# Altium PCB RockerBox_Rev04.PcbDoc (part 8 of 9)
Units mil, origin at the board's own origin, x right, y up, seen from the top; angles counter-clockwise.
Board outline 5354.33 x 8818.9 mil, 4 copper layers (L1, L2, L3, L4), stack 62.087 mil thick; 582 components, 159 nets, 3630 pads, 4701 vias.
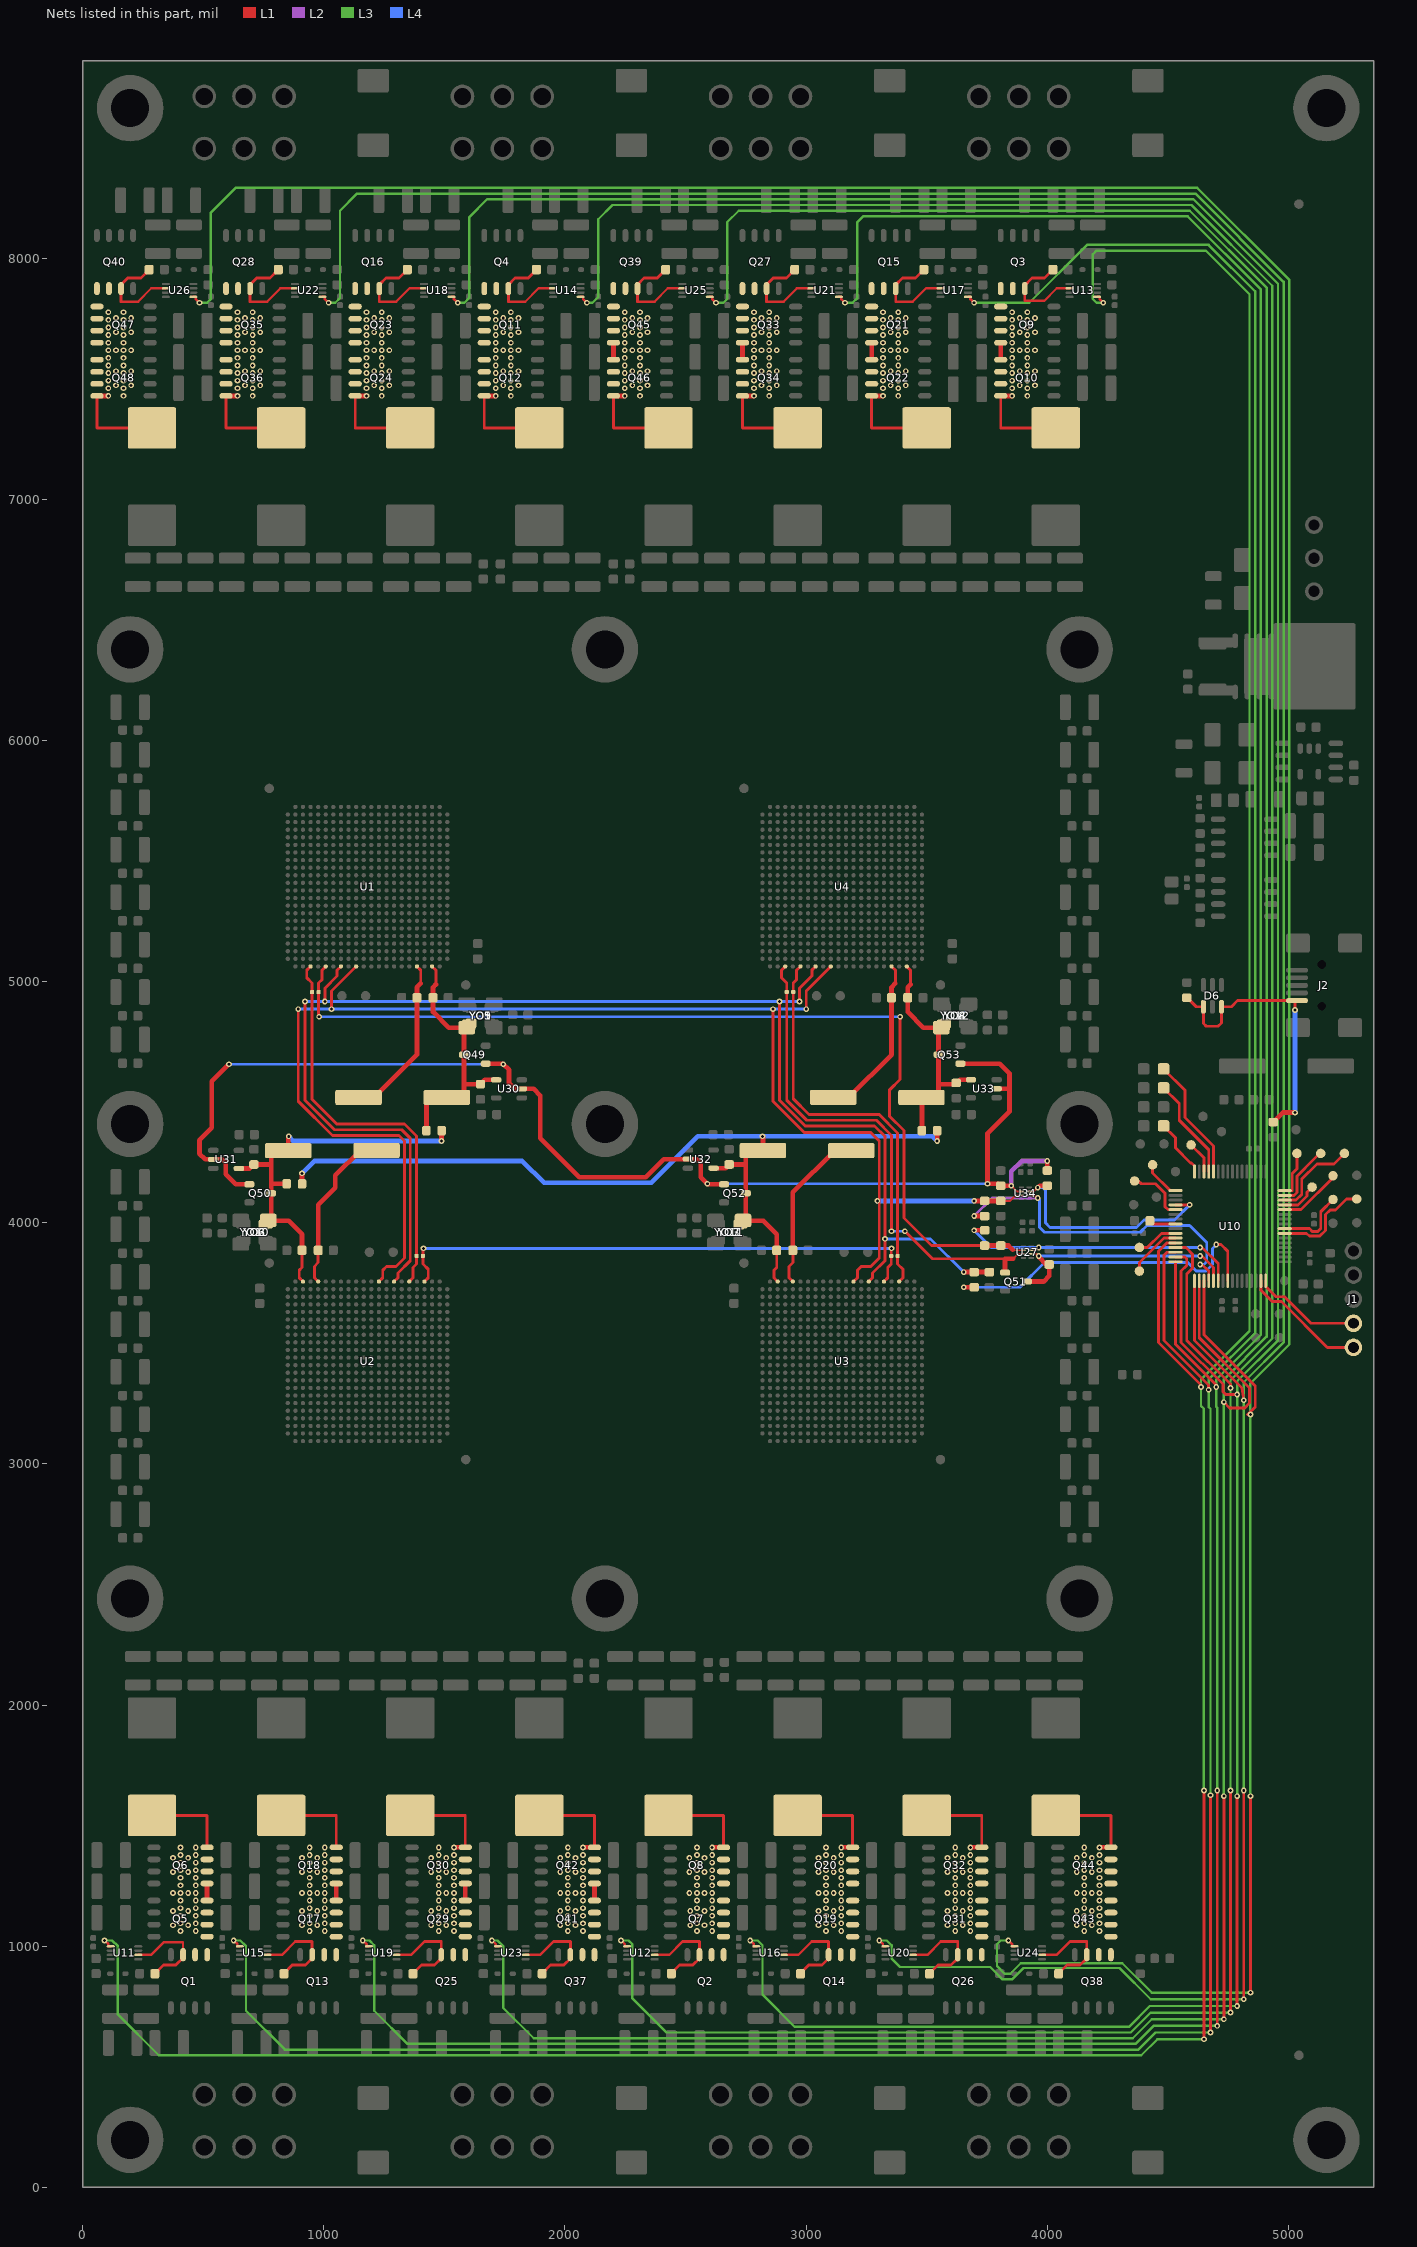
[diagram p10: the nets of this part, all layers, seen from the top]

## Via types
v1: diameter 23.62/23.62/23.62/23.62 (per signal layer), hole 11.81, L1 to L4, 2848 vias
v2: diameter 17.72/17.72/17.72/17.72 (per signal layer), hole 7.87, L1 to L4, 1853 vias

## Nets (pads, with @x,y where several pads share a name; then routed paths per layer and width w, separated by ;. In a path a pad name is that pad's centre, name@x,y a point inside that pad or via, vN(x,y) a via of type N, cw(c..) or ccw(c..) an arc to the next point about the centre after c; other vN are vias at no path point) (continued)
NetTP23_1: TP23.1 U10.49 | length 159.1
  L1 w11.81: TP23.1@4437.01,4240.16 4437.01,4206.03 4509.84,4133.19 U10.49@4531.79,4133.19
NetTP24_1: TP24.1 U10.46 | length 133
  L1 w11.81: TP24.1@4596.46,4322.83 4649.9,4269.39 U10.46@4649.9,4211.93
NetTP25_1: TP25.1 U10.53 | length 251.5
  L1 w11.81: TP25.1@4362.2,4173.23 4377.95,4173.23 4389.76,4161.42 4448.82,4161.42 4488.19,4122.05 4488.19,4066.26 4500,4054.45 U10.53@4531.79,4054.45
NetTP123_1: TP123.1 U10.28 | length 266.6
  L1 w11.81: U10.28@4984.55,4054.45 5052.56,4054.45 5189.02,4190.9 TP123.1@5185.04,4194.88
NetTP124_1: TP124.1 U10.29 | length 153.3
  L1 w11.81: U10.29@4984.55,4074.14 5040.23,4074.14 5077.53,4111.44 5077.53,4126.75 TP124.1@5098.43,4147.64
NetTP125_1: TP125.1 U10.30 | length 365.5
  L1 w11.81: U10.30@4984.55,4093.82 5032.07,4093.82 5055.12,4116.87 5055.12,4181.1 5118.11,4244.09 5188.98,4244.09 TP125.1@5232.28,4287.4
NetTP126_1: TP126.1 U10.31 | length 262.7
  L1 w11.81: U10.31@4984.55,4113.51 5023.9,4113.51 5035.43,4125.04 5035.43,4192.91 5106.3,4263.78 5131.89,4289.37 TP126.1@5133.86,4287.4
NetTP127_1: TP127.1 U10.32 | length 193.6
  L1 w11.81: U10.32@4984.55,4133.19 5015.75,4133.19 5015.75,4204.43 5035.43,4224.11 TP127.1@5035.43,4287.4
NetTP128_1: TP128.1 U10.59 | length 227.5
  L1 w11.81: TP128.1@4381.89,3799.21 4381.89,3834.65 4483.58,3936.34 U10.59@4531.79,3936.34
NetTP129_1: TP129.1 U10.58 | length 174.1
  L1 w11.81: TP129.1@4381.89,3897.64 4414.95,3897.64 4473.34,3956.03 U10.58@4531.79,3956.03
NetTP131_1: TP131.1 U10.23 | length 405.8
  L1 w11.81: U10.23@4984.55,3956.03 5075.47,3956.03 5087.01,3944.49 5130.06,3944.49 5153.54,3967.97 5153.54,4033.46 5173.23,4053.15 5195.62,4053.15 5240.89,4098.43 TP131.1@5283.46,4098.43
NetTP132_1: TP132.1 U10.24 | length 300.6
  L1 w11.81: U10.24@4984.55,3975.71 5087.28,3975.71 5098.82,3964.17 5121.91,3964.17 5133.86,3976.13 5133.86,4045.28 TP132.1@5185.04,4096.46
ORANGE: D4.2 U10.45 | length 424.7
  L1 w11.81: D4.2@4482.28,4559.06 4547.24,4494.09 4547.24,4425.2 4669.59,4302.85 U10.45@4669.59,4211.93
PGC: J1.5 U10.15 | length 521
  L1 w11.81: U10.15@4886.12,3759.18 4886.12,3719.81 4932.7,3673.23 4971.26,3673.23 5161.42,3483.07 J1.5@5269.68,3483.07
PGD: J1.4 U10.16 | length 450.7
  L1 w11.81: U10.16@4905.81,3759.18 4905.81,3735.55 4948.45,3692.91 4984.25,3692.91 5094.09,3583.07 J1.4@5269.68,3583.07
PLL_OSC_CLK_11: C242.1 Q49.3 R32.1 R37.2 U1.C22 U30.4 Y2.1 YO1.3 YO5.3 YO9.3 | length 1129.5
  L1 w11.81: U1.C22@1448.82,5062.99 1464.57,5047.24 1464.57,4988.39
  L1 w19.68: R32.1@1425.2,4381.89 1425.2,4519.68 Y2.1@1509.84,4519.68 1571.06,4519.68 1580.71,4529.33 1580.71,4574.8 ; 1464.57,4988.39 1452.76,4976.57 1452.76,4874.02 1517.72,4809.06 YO1.3@1592.52,4809.06 ; YO5.3@1600.39,4818.9 1592.52,4811.02 YO1.3@1592.52,4809.06 ; YO9.3@1610.24,4826.77 YO1.3@1592.52,4809.06 ; U30.4@1714.57,4592.52 1667.32,4592.52 R37.2@1649.61,4574.8 1580.71,4574.8 ; 1580.71,4574.8 Q49.3@1580.71,4696.85 1580.71,4799.21 1582.68,4799.21 YO1.3@1592.52,4809.06
PLL_OSC_CLK_12: C243.1 U1.E22 Y2.2 | length 694.7
  L1 w11.81: U1.E22@1385.83,5062.99 1401.57,5047.24 1401.57,4992.13
  L1 w19.68: Y2.2@1143.7,4519.68 1143.9,4519.88 1208.86,4519.88 1385.83,4696.85 C243.1@1385.83,4933.07 1385.83,4976.38 1401.57,4992.13
PLL_OSC_CLK_21: C244.1 Q50.3 R32.2 R33.1 R39.2 U2.C22 U31.4 Y3.1 YO2.3 YO6.3 YO10.3 | length 1723.9
  L1 w11.81: C244.1@909.45,3885.83 909.45,3814.96 897.64,3803.15 897.64,3771.65 U2.C22@913.39,3755.91
  L1 w19.68: U31.4@647.67,4225.38 693.07,4225.38 709.25,4241.56 R39.2@710.22,4241.56 781.5,4241.56 ; YO6.3@761.81,4000 753.94,3992.13 YO10.3@751.97,3992.13 760.83,4000.98 YO2.3@769.68,4009.84 771.65,4007.87 YO2.3@781.5,4007.87 ; R33.1@846.46,4161.42 781.5,4161.42 ; v1(854.33,4358.27) 852.36,4358.27 Y3.1@852.36,4299.21 781.5,4299.21 781.5,4241.56 ; C244.1@909.45,3885.83 909.45,3952.76 854.33,4007.87 YO2.3@781.5,4007.87 ; v1(1488.19,4338.58) R32.2@1488.19,4381.89 ; YO2.3@781.5,4007.87 781.5,4161.42 ; 781.5,4161.42 781.5,4241.56
  L4 w19.68: v1(854.33,4358.27) 874.02,4338.58 v1(1488.19,4338.58)
PLL_OSC_CLK_22: C245.1 U2.E22 Y3.2 | length 697.1
  L1 w11.81: U2.E22@976.38,3755.91 960.63,3771.65 960.63,3818.9 976.38,3834.65 C245.1@976.38,3885.83
  L1 w19.68: C245.1@976.38,3885.83 976.38,4074.8 1047.24,4145.67 1047.24,4196.65 1150,4299.41 1218.31,4299.41 Y3.2@1218.5,4299.21
PLL_OSC_CLK_31: C246.1 Q52.3 R33.2 R34.1 R41.2 U3.C22 U32.4 Y4.1 YO3.3 YO7.3 YO11.3 | length 3827.7
  L1 w11.81: YO11.3@2720.47,3992.13 2722.44,3992.13 YO7.3@2730.31,4000 2738.19,4007.87 YO3.3@2738.19,4009.84 YO3.3@2750,4009.84 ; C246.1@2877.95,3885.83 2877.95,3814.96 2866.14,3803.15 2866.14,3771.65 U3.C22@2881.89,3755.91
  L1 w19.68: R33.2@909.45,4161.42 v1(909.45,4204.72) ; U32.4@2616.17,4226.38 2665.92,4226.38 R41.2@2681.1,4241.56 2750,4241.56 ; v1(2818.9,4358.27) 2820.87,4358.27 Y4.1@2820.87,4299.21 2750,4299.21 2750,4241.56 ; C246.1@2877.95,3885.83 2877.95,3952.76 2822.83,4007.87 2750,4007.87 2750,4009.84 Q52.3@2750,4122.05 2750,4241.56 ; v1(3543.31,4338.58) R34.1@3543.31,4381.89
  L4 w19.68: v1(909.45,4204.72) 960.63,4255.91 1822.83,4255.91 1913.39,4165.35 2358.27,4165.35 2551.18,4358.27 v1(2818.9,4358.27) 3523.62,4358.27 v1(3543.31,4338.58)
PLL_OSC_CLK_32: C247.1 U3.E22 Y4.2 | length 697.1
  L1 w11.81: U3.E22@2944.88,3755.91 2929.13,3771.65 2929.13,3818.9 2944.88,3834.65 C247.1@2944.88,3885.83
  L1 w19.68: C247.1@2944.88,3885.83 2944.88,4125.79 3118.5,4299.41 3118.7,4299.21 Y4.2@3187.01,4299.21
PLL_OSC_CLK_41: C248.1 Q53.3 R34.2 R43.2 U4.C22 U33.4 Y5.1 YO4.3 YO8.3 YO12.3 | length 1052.6
  L1 w11.81: U4.C22@3417.32,5062.99 3433.07,5047.24 3433.07,4988.39
  L1 w19.68: 3433.07,4988.39 3421.26,4976.57 C248.1@3421.26,4933.07 3421.26,4874.02 3486.22,4809.06 YO4.3@3561.02,4809.06 ; Y5.1@3472.64,4519.68 Y5.1@3478.35,4519.68 ; R34.2@3480.31,4381.89 3480.31,4517.72 Y5.1@3478.35,4519.68 ; YO8.3@3568.9,4818.9 3561.02,4811.02 YO4.3@3561.02,4809.06 ; YO12.3@3578.74,4826.77 YO4.3@3561.02,4809.06 ; U33.4@3683.67,4593.04 3638.31,4593.04 3624.88,4579.6 R43.2@3622.19,4579.6 3618.11,4575.53 3618.11,4574.8 3549.21,4574.8 ; Y5.1@3478.35,4519.68 3539.57,4519.68 3549.21,4529.33 3549.21,4574.8 ; 3549.21,4574.8 Q53.3@3549.21,4696.85 3549.21,4799.21 3551.18,4799.21 YO4.3@3561.02,4809.06
PLL_OSC_CLK_42: C249.1 U4.E22 Y5.2 | length 694.7
  L1 w11.81: U4.E22@3354.33,5062.99 3370.08,5047.24 3370.08,4992.13
  L1 w19.68: Y5.2@3112.2,4519.68 3112.4,4519.88 3177.36,4519.88 3354.33,4696.85 C249.1@3354.33,4933.07 3354.33,4976.38 3370.08,4992.13
PLL_REF_CLK_1: Q49.1 Q50.1 Q52.1 Q53.1 R23.1 R24.1 U30.2 U31.2 U32.2 U33.2 U34.2 | length 5625.7
  L1 w7.87: v1(3850.39,4153.54) 3874.02,4129.92 U34.2@3893.7,4129.92
  L1 w19.68: v1(606.3,4657.48) 535.43,4586.61 535.43,4393.7 484.25,4342.52 484.25,4286.4 507.87,4262.78 U31.2@541.37,4262.78 578.74,4262.78 593.49,4248.03 593.49,4200.79 634.83,4159.45 Q50.1@690.94,4159.45 ; Q49.1@1671.26,4659.45 1742.32,4659.45 v1(1744.09,4657.48) 1744.09,4657.68 1767.91,4633.86 1767.91,4578.74 1791.54,4555.12 U30.2@1820.87,4555.12 1870.08,4555.12 1897.64,4527.56 1897.64,4350.39 2059.06,4188.98 2334.65,4188.98 2409.45,4263.78 U32.2@2509.87,4263.78 2547.24,4263.78 2562.99,4248.03 2562.99,4188.98 v1(2590.55,4161.42) 2592.52,4159.45 Q52.1@2659.45,4159.45 ; Q53.1@3639.76,4659.45 3803.15,4659.45 3843.04,4619.56 3843.04,4555.64 ; U33.2@3789.97,4555.64 3843.04,4555.64 ; v1(3850.39,4153.54) R24.1@3807.09,4153.54 3799.21,4161.42 v1(3751.97,4161.42) 3751.97,4369.56 3843.04,4460.63 3843.04,4555.64 ; v1(4000,4255.91) 4000.2,4255.91 R23.1@4000.2,4216.54
  L2 w19.68: v1(3850.39,4153.54) 3850.39,4212.6 3893.7,4255.91 v1(4000,4255.91)
  L4 w11.81: v1(606.3,4657.48) v1(1744.09,4657.48) ; v1(2590.55,4161.42) v1(3751.97,4161.42)
PLL_REF_CLK_PIC: R23.2 U10.52 U34.7 | length 959.8
  L1 w7.87: U34.7@3925.2,4129.92 3944.88,4129.92 v1(3960.63,4145.67)
  L1 w11.81: U10.52@4531.79,4074.14 4589.88,4074.14 v1(4590.55,4074.8)
  L1 w19.68: v1(3960.63,4145.67) 3968.5,4153.54 R23.2@4000.2,4153.54
  L4 w11.81: v1(3960.63,4145.67) 3980.31,4145.67 3992.13,4133.86 3992.13,4000 4011.81,3980.31 4370.08,3980.31 4401.57,4011.81 4527.56,4011.81 v1(4590.55,4074.8)
PWM1H: U10.61 U12.5 U14.5 | length 14226.3
  L1 w9.84: U14.5@2064.96,7839.57 2074.8,7839.57 2074.8,7830.24 2088.35,7816.69 v1(2090.55,7814.96) ; v1(2232.28,1023.62) 2234.49,1021.89 2248.03,1008.35 2248.03,999.02 U12.5@2257.87,999.02
  L1 w11.81: U10.61@4531.79,3896.97 4574.8,3896.97 4602.36,3869.41 4602.36,3811.02 4578.74,3787.4 4578.74,3511.81 4759.84,3330.71 v1(4759.84,3314.96) ; v1(4759.84,724.41) v1(4759.84,1645.67)
  L3 w9.84: v1(2090.55,7814.96) 2114.17,7814.96 2137.8,7838.58 2137.8,8161.42 2196.85,8220.47 4598.43,8220.47 4933.07,7885.83 4933.07,3519.68 4759.84,3346.46 v1(4759.84,3314.96) v1(4759.84,1645.67) ; v1(2232.28,1023.62) 2263.78,1023.62 2279.53,1007.87 2279.53,783.46 2421.26,641.73 4346.46,641.73 4429.13,724.41 v1(4759.84,724.41)
PWM1L: U10.60 U11.5 U13.5 | length 14044.6
  L1 w9.84: v1(90.55,1023.62) 92.76,1021.89 106.3,1008.35 106.3,999.02 U11.5@116.14,999.02 ; U13.5@4206.69,7839.57 4216.54,7839.57 4216.54,7830.24 4230.08,7816.69 v1(4232.28,7814.96)
  L1 w11.81: U10.60@4531.79,3916.66 4495.4,3916.66 4460.63,3881.89 4460.63,3503.94 4637.8,3326.77 v1(4637.8,3318.9) ; v1(4649.61,614.17) v1(4649.61,1645.67)
  L3 w9.84: v1(90.55,1023.62) 122.05,1023.62 145.67,1000 145.67,716.54 314.96,547.24 4389.76,547.24 4456.69,614.17 v1(4649.61,614.17) ; v1(4232.28,7814.96) 4204.72,7814.96 4188.98,7830.71 4188.98,8015.75 4204.72,8031.5 4657.48,8031.5 4838.58,7850.39 4838.58,3551.18 4637.8,3350.39 v1(4637.8,3318.9) 4637.8,3240.16 4649.61,3228.35 v1(4649.61,1645.67)
PWM2H: U10.63 U16.5 U18.5 | length 14284.7
  L1 w9.84: U18.5@1529.53,7839.57 1539.37,7839.57 1539.37,7830.24 1552.91,7816.69 v1(1555.12,7814.96) ; v1(2767.72,1023.62) 2769.92,1021.89 2783.46,1008.35 2783.46,999.02 U16.5@2793.31,999.02
  L1 w11.81: U10.63@4531.79,3857.6 4570.87,3857.6 4578.74,3849.73 4578.74,3822.83 4555.12,3799.21 4555.12,3503.94 4728.35,3330.71 4728.35,3299.21 4740.16,3287.4 v1(4787.4,3287.4) ; v1(4787.4,751.97) v1(4787.4,1622.05)
  L3 w9.84: v1(1555.12,7814.96) 1582.68,7814.96 1602.36,7834.65 1602.36,8169.29 1677.17,8244.09 4606.3,8244.09 4956.69,7893.7 4956.69,3511.81 4787.38,3342.5 4787.38,3287.7 v1(4787.4,3287.4) v1(4787.4,1622.05) ; v1(2767.72,1023.62) 2799.21,1023.62 2818.9,1003.94 2818.9,799.21 2952.76,665.35 4338.58,665.35 4425.2,751.97 v1(4787.4,751.97)
PWM2L: U10.62 U15.5 U17.5 | length 13843
  L1 w9.84: v1(625.98,1023.62) 628.19,1021.89 641.73,1008.35 641.73,999.02 U15.5@651.57,999.02 ; U17.5@3671.26,7839.57 3681.1,7839.57 3681.1,7830.24 3694.65,7816.69 v1(3696.85,7814.96)
  L1 w11.81: U10.62@4531.79,3877.29 4496.06,3877.29 4484.25,3865.47 4484.25,3511.81 4669.29,3326.77 v1(4669.29,3307.09) ; v1(4677.17,641.73) v1(4677.17,1625.98)
  L3 w9.84: v1(625.98,1023.62) 653.54,1023.62 677.17,1000 677.17,732.28 838.58,570.87 4377.95,570.87 4448.82,641.73 v1(4677.17,641.73) ; v1(3696.85,7814.96) 3925.2,7814.96 4165.35,8055.12 4669.29,8055.12 4862.2,7862.2 4862.2,3543.31 4669.29,3350.39 v1(4669.29,3307.09) 4669.29,3236.22 4677.17,3228.35 v1(4677.17,1625.98)
PWM3H: U10.1 U20.5 U22.5 | length 14046.6
  L1 w9.84: U22.5@994.09,7839.57 1003.94,7839.57 1003.94,7830.24 1017.48,7816.69 v1(1019.68,7814.96) ; v1(3303.15,1023.62) 3305.35,1021.89 3318.9,1008.35 3318.9,999.02 U20.5@3328.74,999.02
  L1 w11.81: U10.1@4610.53,3759.18 4610.53,3511.52 4807.09,3314.96 v1(4814.96,3263.78) ; v1(4814.96,779.53) v1(4814.96,1645.67)
  L3 w9.84: v1(1019.68,7814.96) 1047.24,7814.96 1066.93,7834.65 1066.93,8196.85 1137.8,8267.72 4614.17,8267.72 4980.31,7901.57 4980.31,3503.94 4814.96,3338.58 v1(4814.96,3263.78) v1(4814.96,1645.67) ; v1(3303.15,1023.62) 3334.65,1023.62 3354.33,1003.94 3354.33,948.82 3389.76,913.39 3763.78,913.39 3814.96,862.2 3854.33,862.2 3901.57,909.45 4299.21,909.45 4429.13,779.53 v1(4814.96,779.53)
PWM3L: U10.64 U19.5 U21.5 | length 14044.4
  L1 w9.84: v1(1161.42,1023.62) 1163.62,1021.89 1177.17,1008.35 1177.17,999.02 U19.5@1187.01,999.02 ; U21.5@3135.83,7839.57 3145.67,7839.57 3145.67,7830.24 3159.21,7816.69 v1(3161.42,7814.96)
  L1 w11.81: U10.64@4531.79,3837.92 4531.79,3495.77 4700.79,3326.77 v1(4700.79,3318.9) ; v1(4704.72,669.29) v1(4704.72,1645.67)
  L3 w9.84: v1(1161.42,1023.62) 1188.98,1023.62 1208.66,1003.94 1208.66,732.28 1346.46,594.49 4366.14,594.49 4440.94,669.29 v1(4704.72,669.29) ; v1(3161.42,7814.96) 3192.91,7814.96 3212.6,7834.65 3212.6,8149.61 3236.22,8173.23 4582.68,8173.23 4885.83,7870.08 4885.83,3535.43 4700.79,3350.39 v1(4700.79,3318.9) 4700.79,3236.22 4704.72,3232.28 v1(4704.72,1645.67)
PWM4H: U10.3 U24.5 U26.5 | length 14280.4
  L1 w9.84: U26.5@458.66,7839.57 468.5,7839.57 468.5,7830.24 482.05,7816.69 v1(484.25,7814.96) ; v1(3838.58,1023.62) 3840.79,1021.89 3854.33,1008.35 3854.33,999.02 U24.5@3864.17,999.02
  L1 w11.81: U10.3@4649.9,3759.18 4649.9,3535.14 4862.2,3322.83 4862.2,3235.92 4831,3204.72 v1(4842.52,3204.72) ; v1(4842.52,807.09) v1(4842.52,1622.05)
  L3 w9.84: v1(484.25,7814.96) 515.75,7814.96 531.5,7830.71 531.5,8188.98 633.86,8291.34 4622.05,8291.34 5003.94,7909.45 5003.94,3496.06 4842.5,3334.63 4842.5,3204.92 v1(4842.52,3204.72) v1(4842.52,1622.05) ; v1(3838.58,1023.62) 3807.09,1023.62 3791.34,1007.87 3791.34,917.32 3822.83,885.83 3846.46,885.83 3889.76,929.13 4311.02,929.13 4433.07,807.09 v1(4842.52,807.09)
PWM4L: U10.2 U23.5 U25.5 | length 14201.2
  L1 w9.84: v1(1696.85,1023.62) 1699.06,1021.89 1712.6,1008.35 1712.6,999.02 U23.5@1722.44,999.02 ; U25.5@2600.39,7839.57 2610.24,7839.57 2610.24,7830.24 2623.78,7816.69 v1(2625.98,7814.96)
  L1 w11.81: U10.2@4630.22,3759.18 4630.22,3523.33 4838.88,3314.67 4838.88,3252.26 4818.9,3232.28 4755.91,3232.28 v1(4732.28,3255.91) ; v1(4732.28,696.85) v1(4732.28,1622.05)
  L3 w9.84: v1(1696.85,1023.62) 1720.47,1023.62 1744.09,1000 1744.09,744.09 1870.08,618.11 4354.33,618.11 4433.07,696.85 v1(4732.28,696.85) ; v1(2625.98,7814.96) 2657.48,7814.96 2673.23,7830.71 2673.23,8149.61 2720.47,8196.85 4590.55,8196.85 4909.45,7877.95 4909.45,3527.56 4732.28,3350.39 v1(4732.28,3255.91) v1(4732.28,1622.05)
RED: D1.2 U10.48 | length 245
  L1 w11.81: D1.2@4482.28,4401.57 4531.5,4352.36 4531.5,4310.74 4594.21,4248.03 4598.05,4248.03 4610.53,4235.55 U10.48@4610.53,4211.93
RESET_COLD_L: R21.1 R29.1 U1.R22 U2.R22 U3.R22 U4.R22 | length 5960.3
  L1 w11.81: v1(921.46,4917.32) 921.46,4507.87 1043.5,4385.83 1322.83,4385.83 1358.46,4350.2 1358.46,3842.52 1307.09,3791.14 1307.09,3771.65 U2.R22@1291.34,3755.91 ; v1(1004.13,4917.32) 1004.13,4972.44 1055.12,5023.43 1055.12,5047.24 U1.R22@1070.87,5062.99 ; v1(2889.96,4917.32) 2889.96,4507.87 2996.26,4401.57 3283.66,4401.57 3326.77,4358.46 v1(3326.77,3933.07) 3326.97,3877.76 3326.97,3842.52 3275.59,3791.14 3275.59,3771.65 U3.R22@3259.84,3755.91 ; v1(2972.44,4917.32) 2972.64,4917.32 2972.64,4972.44 3023.62,5023.43 3023.62,5047.24 U4.R22@3039.37,5062.99
  L1 w19.68: v1(3653.54,3795.28) R21.1@3696.85,3795.28 R29.1@3759.84,3795.28
  L4 w11.81: v1(921.46,4917.32) v1(1004.13,4917.32) v1(2889.96,4917.32) v1(2972.44,4917.32) ; v1(3326.77,3933.07) 3515.75,3933.07 v1(3653.54,3795.28)
RESET_PIC: R21.2 U10.8 | length 1414.1
  L1 w11.81: v1(4700.98,3909.45) 4720.67,3909.45 4748.33,3881.79 U10.8@4748.33,3759.18
  L1 w19.68: v1(3653.54,3732.28) R21.2@3696.85,3732.28
  L4 w11.81: v1(3653.54,3732.28) 3885.83,3732.28 3988.19,3834.65 4582.68,3834.65 4618.11,3799.21 4657.68,3799.21 4685.24,3826.77 4685.24,3893.7 v1(4700.98,3909.45)
SER_CLK: R7.1 R8.1 U1.N22 U2.N22 U3.N22 U4.N22 U34.3 | length 6244.1
  L1 w7.87: R8.1@3807.28,4090.55 3846.46,4090.55 3870.08,4114.17 U34.3@3893.7,4114.17
  L1 w11.81: v1(893.9,4885.83) 893.9,4503.94 1035.63,4362.2 1311.22,4362.2 1334.84,4338.58 1334.84,3854.33 1299.41,3818.9 1259.84,3818.9 1244.09,3803.15 1244.09,3771.65 U2.N22@1228.35,3755.91 ; v1(1031.69,4885.83) 1031.69,4960.83 U1.N22@1133.86,5062.99 ; v1(2862.4,4885.83) 2862.4,4503.94 2992.32,4374.02 3267.91,4374.02 3303.35,4338.58 v1@3303.35,4090.55 ; v1(3000.2,4885.83) 3000.2,4960.83 U4.N22@3102.36,5062.99 ; U3.N22@3196.85,3755.91 3212.6,3771.65 3212.6,3803.15 3228.35,3818.9 3267.91,3818.9 3303.35,3854.33 v1@3303.35,4090.55 ; v1(3295.28,4090.55) v1@3303.35,4090.55
  L1 w19.68: v1(3696.85,4090.55) R8.1@3807.28,4090.55
  L4 w11.81: v1(893.9,4885.83) v1(1031.69,4885.83) v1(2862.4,4885.83) v1(3000.2,4885.83)
  L4 w19.68: v1(3295.28,4090.55) v1(3696.85,4090.55)
SER_CLK_PIC: R7.2 U10.4 U34.6 | length 1443.6
  L1 w7.87: U34.6@3925.2,4114.17 3948.82,4114.17 v1(3960.63,4102.36)
  L1 w11.81: v1(4634.06,3826.77) 4641.93,3826.77 4669.49,3799.21 U10.4@4669.59,3759.18
  L1 w19.68: v1(3696.85,4027.56) R7.2@3740.35,4027.56
  L2 w11.81: v1(3696.85,4027.56) 3771.65,4102.36 v1(3960.63,4102.36)
  L4 w11.81: v1(3960.63,4102.36) 3968.5,4094.49 3968.5,3980.31 3988.19,3960.63 4385.83,3960.63 4413.39,3988.19 4590.55,3988.19 4661.42,3917.32 4661.42,3838.58 4649.61,3826.77 v1(4634.06,3826.77)
SWN1: C28.2 L1.1 Q1.1 Q1.2 Q1.3 Q5.5 Q5.6 Q5.7 Q5.8 Q6.5 Q6.6 Q6.7 Q6.8 U11.2 | length 848.1
  L1 w9.84: U11.2@230.31,963.58 283.46,963.58 335.63,1015.75 415.94,1015.75 Q1.3@415.94,964.57
  L1 w11.81: L1.1@287.4,1542.32 515.75,1542.32 Q6.8@515.75,1409.65 ; C28.2@299.21,885.83 334.65,921.26 385.83,921.26 417.32,952.76 417.32,963.19 Q1.3@415.94,964.57
  L1 w19.68: Q5.8@515.75,1189.17 Q6.5@515.75,1259.66
  other v1: 405.51,1062.99 468.5,1062.99 374.02,1086.61 437.01,1086.61 405.51,1094.49 468.5,1094.49 405.51,1125.98 468.5,1125.98 374.02,1145.67 437.01,1145.67 405.51,1157.48 468.5,1157.48 405.51,1188.98 468.5,1188.98 374.02,1220.47 405.51,1220.47 437.01,1220.47 468.5,1220.47 405.51,1251.97 468.5,1251.97 405.51,1283.46 468.5,1283.46 374.02,1307.09 437.01,1307.09 405.51,1314.96 468.5,1314.96 405.51,1346.46 468.5,1346.46 374.02,1366.14 437.01,1366.14 405.51,1377.95 468.5,1377.95 405.51,1409.45 468.5,1409.45
SWN2: C60.2 L5.1 Q13.1 Q13.2 Q13.3 Q17.5 Q17.6 Q17.7 Q17.8 Q18.5 Q18.6 Q18.7 Q18.8 U15.2 | length 854
  L1 w9.84: U15.2@765.75,963.58 825.79,963.58 881.4,1019.19
  L1 w11.81: L5.1@822.83,1542.32 1051.18,1542.32 Q18.8@1051.18,1409.65 ; C60.2@834.65,885.83 834.65,886.81 869.09,921.26 923.82,921.26 951.38,948.82 Q13.3@951.38,964.57 951.38,1019.19 881.4,1019.19
  L1 w19.68: Q17.8@1051.18,1189.17 Q18.5@1051.18,1259.66
  other v1: 940.94,1062.99 1003.94,1062.99 909.45,1086.61 972.44,1086.61 940.94,1094.49 1003.94,1094.49 940.94,1125.98 1003.94,1125.98 909.45,1145.67 972.44,1145.67 940.94,1157.48 1003.94,1157.48 940.94,1188.98 1003.94,1188.98 909.45,1220.47 940.94,1220.47 972.44,1220.47 1003.94,1220.47 940.94,1251.97 1003.94,1251.97 940.94,1283.46 1003.94,1283.46 909.45,1307.09 972.44,1307.09 940.94,1314.96 1003.94,1314.96 940.94,1346.46 1003.94,1346.46 909.45,1366.14 972.44,1366.14 940.94,1377.95 1003.94,1377.95 940.94,1409.45 1003.94,1409.45
SWN3: C92.2 L9.1 Q25.1 Q25.2 Q25.3 Q29.5 Q29.6 Q29.7 Q29.8 Q30.5 Q30.6 Q30.7 Q30.8 U19.2 | length 901.4
  L1 w9.84: U19.2@1301.18,963.58 1361.22,963.58 1416.83,1019.19
  L1 w11.81: L9.1@1358.27,1542.32 1586.61,1542.32 Q30.8@1586.61,1409.65 ; C92.2@1370.08,885.83 1370.08,886.81 1404.53,921.26 1459.25,921.26 1486.81,948.82 Q25.3@1486.81,964.57 1486.81,1019.19 1416.83,1019.19
  L1 w19.68: v1(1539.37,1409.45) 1539.37,1409.65 Q30.8@1586.61,1409.65 ; Q29.8@1586.61,1189.17 Q30.5@1586.61,1259.66
  other v1: 1476.38,1062.99 1539.37,1062.99 1444.88,1086.61 1507.87,1086.61 1476.38,1094.49 1539.37,1094.49 1476.38,1125.98 1539.37,1125.98 1444.88,1145.67 1507.87,1145.67 1476.38,1157.48 1539.37,1157.48 1476.38,1188.98 1539.37,1188.98 1476.38,1220.47 1507.87,1220.47 1539.37,1220.47 1476.38,1251.97 1539.37,1251.97 1476.38,1283.46 1539.37,1283.46 1444.88,1307.09 1507.87,1307.09 1476.38,1314.96 1539.37,1314.96 1476.38,1346.46 1539.37,1346.46 1444.88,1366.14 1507.87,1366.14 1476.38,1377.95 1539.37,1377.95 1476.38,1409.45
SWN4: C124.2 L13.1 Q37.1 Q37.2 Q37.3 Q41.5 Q41.6 Q41.7 Q41.8 Q42.5 Q42.6 Q42.7 Q42.8 U23.2 | length 901.4
  L1 w9.84: U23.2@1836.61,963.58 1896.65,963.58 1952.26,1019.19
  L1 w11.81: L13.1@1893.7,1542.32 2122.05,1542.32 Q42.8@2122.05,1409.65 ; C124.2@1905.51,885.83 1905.51,886.81 1939.96,921.26 1994.68,921.26 2022.24,948.82 Q37.3@2022.24,964.57 2022.24,1019.19 1952.26,1019.19
  L1 w19.68: v1(2074.8,1409.45) 2074.8,1409.65 Q42.8@2122.05,1409.65 ; Q41.8@2122.05,1189.17 Q42.5@2122.05,1259.66
  other v1: 2011.81,1062.99 2074.8,1062.99 1980.31,1086.61 2043.31,1086.61 2011.81,1094.49 2074.8,1094.49 2011.81,1125.98 2074.8,1125.98 1980.31,1145.67 2043.31,1145.67 2011.81,1157.48 2074.8,1157.48 2011.81,1188.98 2074.8,1188.98 1980.31,1220.47 2011.81,1220.47 2043.31,1220.47 2074.8,1220.47 2011.81,1251.97 2074.8,1251.97 2011.81,1283.46 2074.8,1283.46 1980.31,1307.09 2043.31,1307.09 2011.81,1314.96 2074.8,1314.96 2011.81,1346.46 2074.8,1346.46 1980.31,1366.14 2043.31,1366.14 2011.81,1377.95 2074.8,1377.95 2011.81,1409.45